# Allegro board RK3588S_Template_LP4XD200P232SD10H2_30X30_2133MHz_H1R6_V11_20220218YWQ.brd (continued)
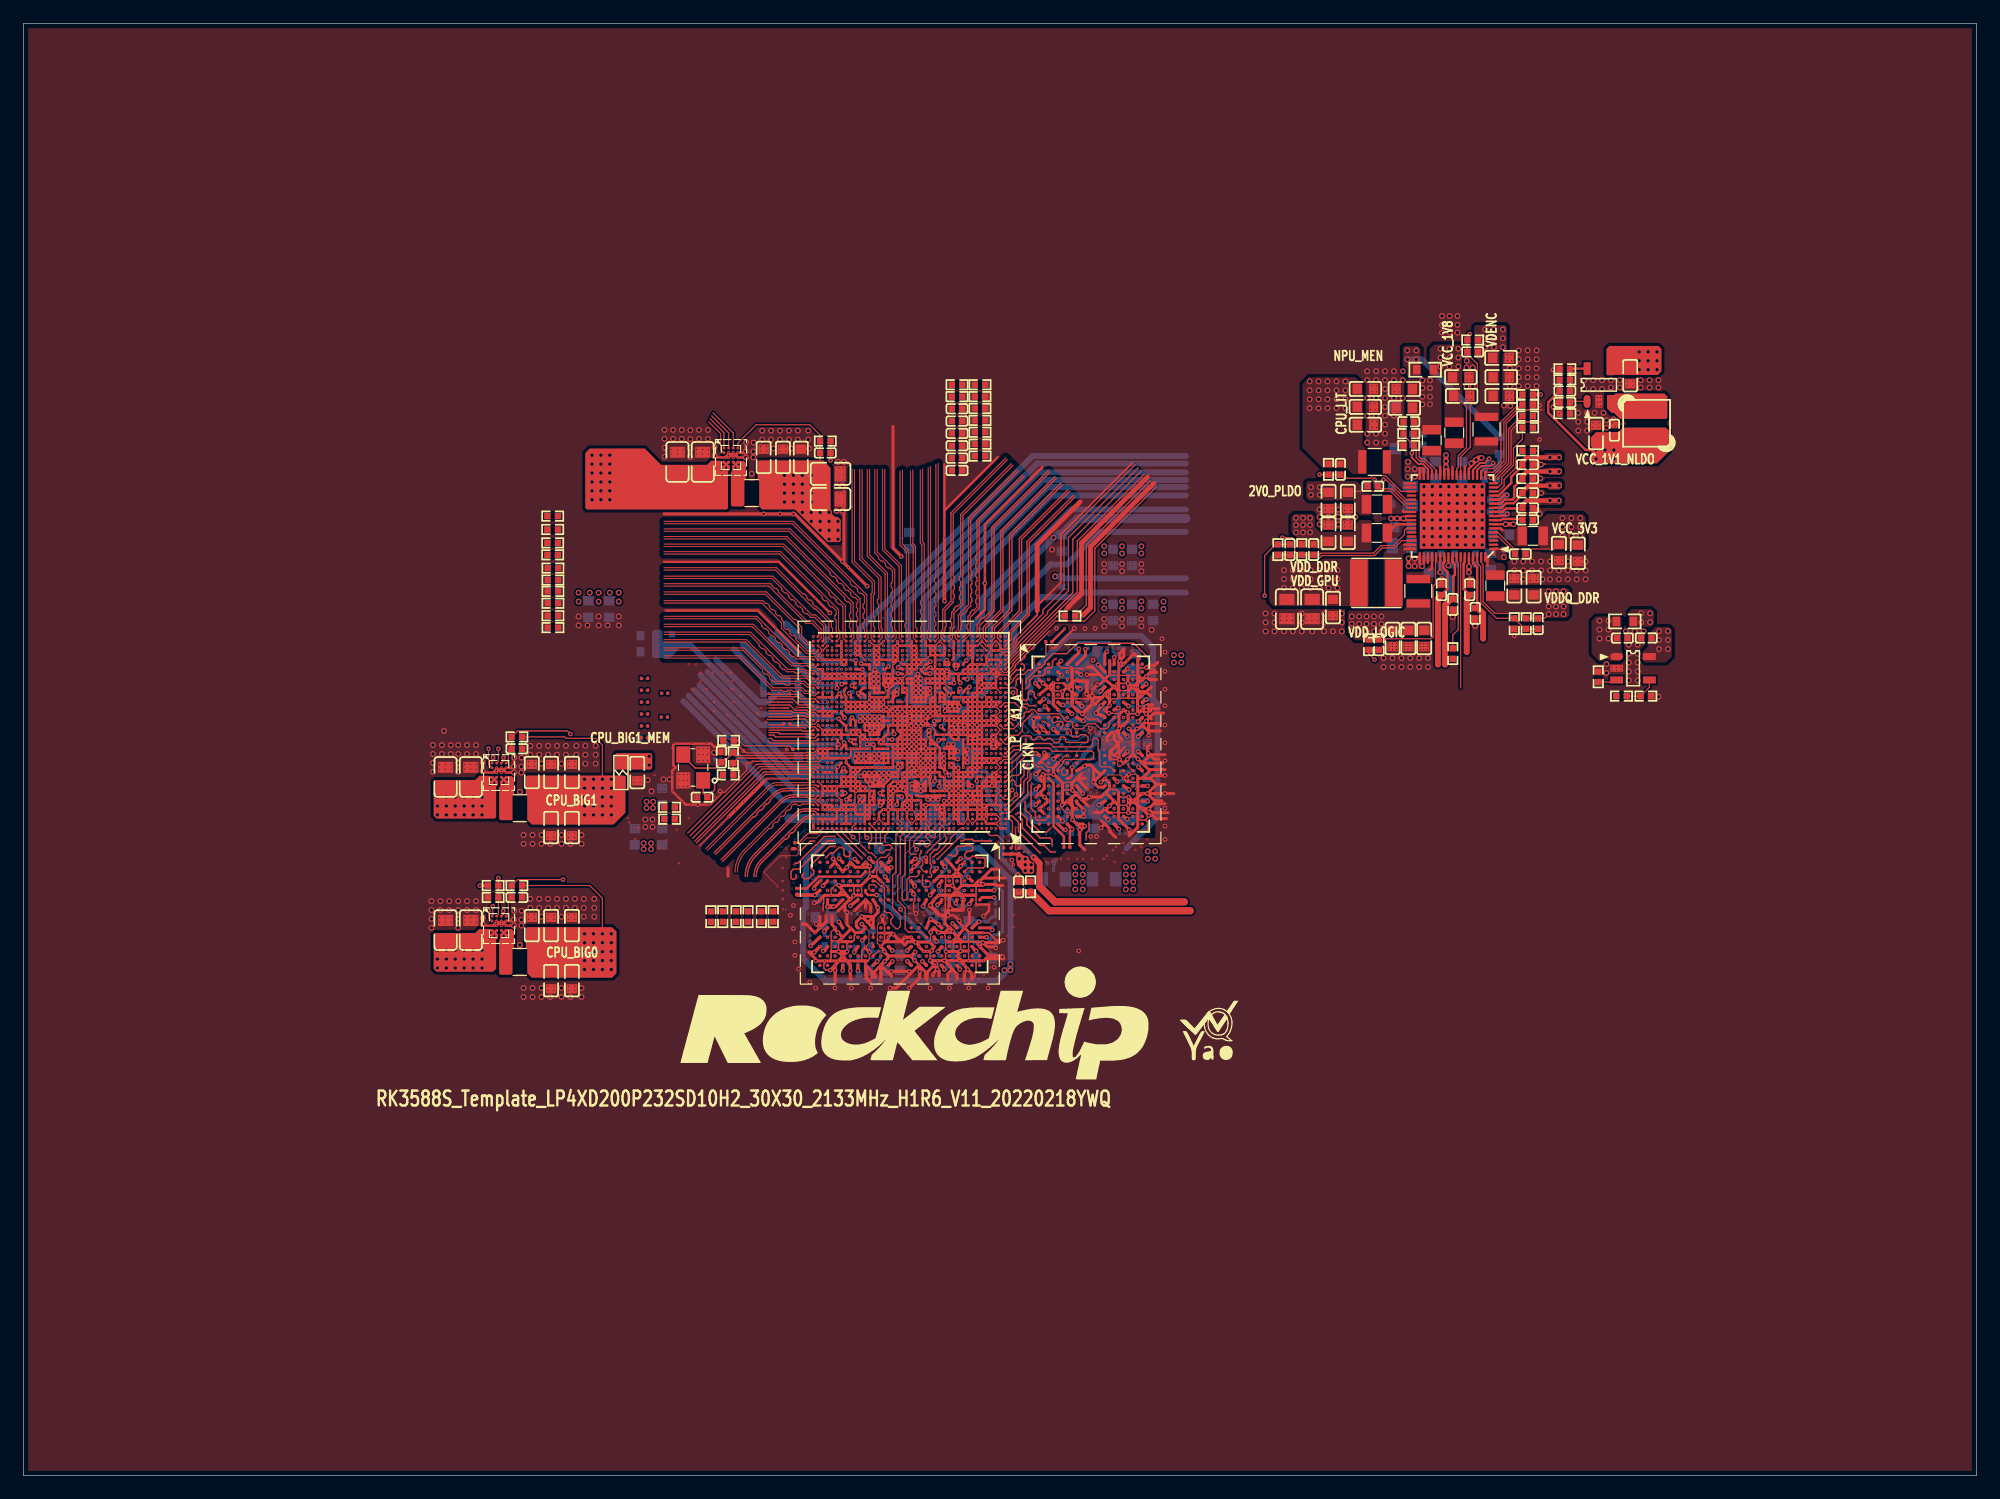
[diagram p0: board, top side]
## Routing (per net, layer and track width the routed paths; a pad name or vN(x,y) marks a point on that pad's centre or on a via; arc(x,y) is an arc through that point) (continued)
; U1000.AD3 v7(83.09,64.1) v7(82.69,64.1) ; v2(82.3,56.9) 80.29,56.9 v2(80.29,56.9) ; v2(82.3,56.9) v2(82.3,56.5) 82.3,56.2 v1(82.23,56.13) ; v7(81.49,62.1) v2(81.09,62.1) ; v7(81.49,62.1) v2(81.49,61.7) ; v7(82.29,70.9) v7(82.69,70.9) v2(82.69,70.5) v7(83.09,70.5) 83.1,70.51 v7(83.49,70.51) v7(83.49,70.9) ; v2(79.89,63.7) 79.89,64.04 v1(80.01,64.16) ; v2(79.89,63.7) v2(79.49,63.7) ; v2(79.89,63.7) v2(79.89,63.3) ; v7(75.49,64.1) v7(75.49,63.7) ; v7(75.49,64.1) U1000.AD22 ; v7(75.49,64.1) 75.8,64.1 v1(75.85,64.05) ; v7(75.49,64.1) v7(75.09,64.1) ; v7(75.49,63.7) v7(75.49,63.3) ; v7(75.49,63.7) v2(75.89,63.7) ; 74.15,46.25 v7(73.9,46) 73.9,45.88 73.63,45.61 ; v7(68.69,63.7) v7(68.29,63.7) v7(68.29,63.3) v7(68.69,63.3) ; v7(68.69,63.7) v7(69.09,63.7) ; v7(68.69,63.7) v7(68.69,63.3) ; v7(74.29,70.1) v7(74.29,70.5) ; v7(74.29,70.1) v2(74.29,69.7) ; v7(74.29,70.5) v7(74.29,70.9) v1(74.66,70.9) ; v7(74.29,70.5) 74.66,70.5 v7(74.69,70.54) ; v2(82.29,67.7) v2(82.29,67.3) ; v2(82.29,67.7) U1000.AM4 U1000.AL4 ; v2(71.09,60.1) v2(70.69,60.1) ; v2(71.09,60.1) 71.29,60.1 71.49,60.3 v2(71.49,60.5) ; v2(71.09,60.1) v7(71.09,60.5) ; v2(70.69,60.1) U1000.P34 ; 81.49,67.36 v2(81.55,67.3) v2(82.29,67.3) ; 81.49,67.36 v2(81.49,66.9) ; v2(81.49,66.9) U1000.AJ7 ; v2(81.49,66.9) v7(81.15,66.9) 81.09,66.84 v2(81.09,66.5) ; v7(73.09,56.1) 73.09,56.58 73.41,56.9 v2(73.49,56.9) 73.86,56.9 v1(73.89,56.87) 73.92,56.9 v2(74.29,56.9) ; v2(72.29,66.5) v2(72.69,66.5) ; v2(72.29,66.5) v7(72.29,66.9) ; v2(72.29,66.5) v7(72.29,65.3) ; v2(72.69,66.5) v2(72.69,66.13) U1000.AH29 ; v7(75.89,61.7) 75.89,62.07 v1(75.9,62.08) ; v7(75.89,61.7) 76.27,61.7 76.29,61.67 ; v7(75.89,61.7) v7(75.49,61.7) v7(75.09,61.7) ; v7(75.89,61.7) v2(75.89,61.3) ; 74.29,58.44 v1(74.32,58.47) 74.35,58.5 ; 74.29,58.44 v2(74.29,58.1) ; 74.29,58.44 v2(74.29,58.9) ; v1(77.49,60.9) 77.48,60.88 v1(77.06,60.88) ; v1(77.49,60.9) U1000.T17 77.49,61.33 ; v2(81.49,63.7) v2(81.89,63.7) ; v2(81.49,63.7) v2(81.09,63.7) ; v7(82.29,65.7) v7(82.69,65.7) ; v7(82.29,65.7) v2(81.89,65.7) ; v5(39.24,60.2) 39.37,60.07 U2301.C1 v2(40.07,60.07) v2(40.44,60.07) v2(40.84,60.47) v2(41.24,60.07) v5(41.91,60.07) ; v2(79.89,58.1) v2(81.89,58.1) v7(82.29,58.1) v7(82.69,58.1) v7(83.09,58.1) v7(83.09,57.7) v7(83.09,57.3) ; v2(79.89,58.1) v2(79.49,58.1) 79.11,58.1 79.1,58.09 ; v2(79.89,58.1) 79.88,58.09 v2(79.88,57.7) ; v7(77.89,65.3) 78.13,65.3 v1(78.21,65.22) ; v7(77.89,65.3) v7(77.49,65.3) ; v7(77.89,65.3) v2(77.89,65.7) ; v7(77.89,65.3) v2(77.89,64.9) ; v2(80.29,57.3) v2(80.69,57.3) ; v2(80.29,57.3) v2(80.29,56.9) ; v2(80.29,57.3) v2(80.29,57.7) ; v2(80.29,57.3) 79.91,57.3 v7(79.88,57.28) ; v2(80.69,57.3) v2(80.69,57.7) ; v2(80.69,57.3) v2(81.09,57.3) ; v2(80.69,57.3) v2(80.69,56.9) v7(80.69,56.1) ; v7(69.09,68.1) v7(68.69,68.1) ; v7(69.09,68.1) v2(69.49,68.1) ; 54.86,73.91 62.74,73.91 v7(64.26,72.39) v7(65.53,71.12) v7(66.37,70.28) ; U1000.AD22 v7(75.09,64.5) ; U1000.AD22 U1000.AE22 ; U1000.AD22 75.71,64.5 v1(75.74,64.47) ; v2(77.89,65.7) v2(78.29,65.7) 78.29,65.3 v1(78.21,65.22) ; v7(81.09,66.1) U1000.AH7 ; v7(81.09,66.1) v2(81.09,65.7) ; v7(81.09,66.1) 80.74,66.1 v7(80.69,66.15) ; v7(81.09,66.1) v2(81.09,66.5) ; U1000.AH7 U1000.AJ7 ; U1000.AH7 v2(81.49,65.7) ; v7(77.09,56.9) v1(77.09,57.28) ; v7(77.09,56.9) v7(76.69,56.9) ; v7(77.09,56.9) v7(77.09,56.5) ; v7(72.69,69.7) v7(72.69,70.1) ; v7(75.09,61.7) v7(74.69,61.7) ; v7(75.09,61.7) v7(75.09,62.1) ; v7(75.09,61.7) v7(75.09,61.3) ; v7(74.69,61.7) v2(74.69,61.3) ; v7(74.69,61.7) v7(74.69,62.1) ; v7(74.69,61.7) v2(74.29,61.7) ; v1(75.85,64.05) v1(76.26,64.05) ; v1(75.85,64.05) 75.85,64.36 v1(75.74,64.47) ; v1(75.85,64.05) 75.89,64.01 ; v2(81.89,68.5) v2(82.29,68.5) 82.63,68.5 ; v2(81.89,68.5) v2(81.49,68.5) ; v2(68.29,58.1) v7(68.29,58.5) ; v7(68.29,58.5) v7(69.09,58.5) ; v7(68.29,58.5) v7(68.29,58.9) v7(68.69,58.9) ; v2(75.09,57.3) v2(75.09,56.9) ; v7(68.29,68.5) v7(68.69,68.5) ; v7(68.29,68.5) v7(68.29,68.1) v7(68.69,68.1) ; v7(68.29,68.5) U1000.AR40 U1000.AR41 ; v7(68.69,68.5) v7(68.69,68.1) ; v2(79.49,64.9) v2(79.89,64.9) ; v1(75.08,65.25) 75.49,65.25 ; v1(75.08,65.25) 75.09,65.26 v2(75.09,65.7) ; v1(75.08,65.25) 75.08,64.91 v7(75.09,64.9) ; v1(75.08,65.25) 75.06,65.28 v1(74.68,65.28) ; 75.49,65.25 75.49,65.26 ; 75.49,65.25 75.49,65.25 U1000.AE22 ; v2(80.29,64.5) v2(80.69,64.5) ; v2(80.29,64.5) 80.29,64.24 80.37,64.16 ; v2(80.29,64.5) v2(79.89,64.5) ; v2(80.69,64.5) v2(80.69,63.7) ; v2(80.69,64.5) v2(81.09,64.5) ; v7(82.69,62.9) 83.09,62.9 v7(83.09,62.91) ; v7(82.69,62.9) v7(82.69,62.09) 82.7,62.1 v7(83.09,62.1) U1000.Y3 v7(83.09,62.91) ; v7(82.69,62.9) v2(82.29,62.9) ; v7(82.69,62.9) v2(82.69,63.3) v2(83.09,63.3) v7(83.09,62.91) ; v7(69.09,60.1) v7(68.69,60.1) v7(68.29,60.1) ; v2(75.89,63.7) v1(75.89,63.3) ; v2(75.89,63.7) 75.89,64.01 ; v7(77.49,70.9) v7(77.89,70.9) v7(77.89,70.5) ; v7(77.49,70.9) v7(77.49,70.5) ; v1(79.13,58.54) 79.1,58.51 ; v1(79.13,58.54) 79.09,58.58 v2(79.09,58.9) ; v2(74.69,61.3) v7(75.09,61.3) ; v2(74.69,61.3) v2(74.29,61.3) ; v2(79.89,68.5) v2(80.29,68.5) ; v2(77.09,61.3) v7(77.09,61.7) ; v2(77.09,61.3) 77.09,60.91 v1(77.06,60.88) ; v2(77.09,61.3) 77.47,61.3 77.49,61.33 ; v7(75.49,63.3) v1(75.89,63.3) ; v1(75.89,63.3) v1(76.29,63.3) ; v2(78.69,68.1) v2(78.69,67.7) v7(78.29,67.7) ; v2(78.69,68.1) v2(79.09,68.1) 79.09,68.86 v2(79.06,68.9) 78.67,68.9 ; v2(78.69,68.1) v2(78.69,68.88) 78.67,68.9 ; v2(79.49,60.1) v2(79.89,60.1) ; v2(79.89,60.1) v2(79.89,59.3) ; v7(73.89,58.09) 73.9,58.1 v2(74.29,58.1) ; v7(73.89,58.09) U1000.G26 ; v2(79.89,56.1) v7(79.89,55.7) v2(80.29,55.7) ; v2(79.89,56.1) v2(79.89,56.5) ; 81.89,59.31 81.89,57.7 v2(81.89,57.7) ; v2(82.29,59.3) U1000.L3 v7(83.49,59.3) ; v2(82.29,59.3) v2(81.89,59.3) ; v2(82.29,59.3) v7(82.29,58.94) 82.25,58.9 ; v7(82.69,64.1) v7(82.29,64.1) ; v2(69.49,63.7) v7(69.09,63.7) ; v2(79.88,57.7) v7(79.88,57.28) ; v2(79.88,57.7) v2(80.29,57.7) ; v7(75.09,62.1) 75.47,62.1 v1(75.49,62.08) ; v7(75.09,62.1) v7(74.69,62.1) ; 76.29,61.67 v7(76.29,61.65) v2(76.29,61.3) ; v2(81.89,65.7) v2(81.49,65.7) ; v2(81.89,65.7) v7(81.89,64.9) ; v2(81.49,65.7) v2(81.49,65.3) ; v2(81.49,65.7) v2(81.09,65.7) ; v2(75.09,59.3) v7(75.09,59.7) ; v2(75.09,59.3) v2(75.49,59.3) ; v2(69.49,56.9) 69.49,56.9 v7(69.49,56.1) ; v2(69.49,56.9) v2(69.09,56.9) ; v2(69.49,56.9) v7(69.89,56.9) 69.93,56.9 ; v7(75.89,60.1) v7(75.89,59.7) ; v1(81.46,64.15) 81.52,64.1 v7(81.89,64.1) ; v2(75.89,68.9) v2(75.89,68.5) v2(75.49,68.5) v7(75.49,69.3) ; v2(75.89,68.9) v2(75.49,68.9) ; v2(75.89,68.9) v2(76.29,68.9) v2(76.29,69.3) ; v7(68.69,62.1) v7(69.09,62.1) ; v2(71.09,59.3) v2(70.69,59.3) ; v2(71.09,59.3) v2(71.09,58.9) ; v2(71.09,59.3) v2(71.49,59.3) v2(71.49,58.9) ; v2(70.69,59.3) v2(70.69,58.9) ; v2(75.09,65.7) v2(75.49,65.7) ; v2(75.09,65.7) v2(74.69,65.7) ; v7(83.09,57.3) v7(83.49,57.3) v7(83.49,56.9) ; v2(70.14,67.07) 70.14,67.14 v2(70.29,67.3) ; v2(71.09,65.3) v2(71.49,65.3) ; 81.09,63.2 v7(81.09,62.5) ; 81.09,63.2 81.09,63.23 ; v1(74.68,65.28) 74.69,65.29 v2(74.69,65.7) ; v1(74.68,65.28) 74.65,65.3 v1(74.27,65.3) ; v1(74.68,65.28) 74.69,65.26 v2(74.69,64.9) ; v7(81.89,62.9) v2(82.29,62.9) ; v7(70.69,63.3) 70.69,63.3 v7(70.69,63.7) v2(71.09,63.7) ; v1(78.99,47.87) v2(79.5,47.87) v1(79.96,47.42) 79.96,47.24 v7(80.4,46.8) ; v2(80.69,57.7) v2(80.69,58.5) ; v2(80.69,57.7) v2(81.09,57.7) ; v2(80.69,57.7) v2(80.29,57.7) ; v2(71.89,56.9) v2(71.89,57.3) v7(72.26,57.3) 72.29,57.3 ; v2(71.89,56.9) U1000.E30 ; v2(71.89,56.9) v7(71.89,56.5) ; U1000.AJ7 v2(81.09,66.5) ; v2(81.09,66.5) v2(80.69,66.5) ; v2(81.89,63.7) v7(81.89,64.1) ; 79.1,58.09 79.1,58.51 ; 72.29,57.3 v2(72.69,57.3) v2(72.69,57.7) ; 72.29,57.3 v7(72.29,56.5) ; v2(76.29,60.9) v7(75.89,60.9) ; v2(76.29,60.9) v2(76.29,61.3) ; v7(80.69,66.15) 80.64,66.1 v7(80.29,66.1) v2(80.29,66.5) ; v7(80.69,66.15) v2(80.69,66.5) ; v7(70.29,55.7) v7(70.29,56.1) 70.29,56.1 v2(70.29,56.48) 70.29,56.48 v7(70.29,56.9) ; v7(70.29,55.7) v7(70.69,55.7) ; v7(70.29,55.7) v7(69.89,55.7) ; v2(81.49,65.3) v2(81.89,65.3) ; v7(70.29,56.9) v2(70.69,56.9) v2(71.09,56.9) ; v7(70.29,56.9) v2(70.29,57.3) ; v7(70.29,56.9) 69.93,56.9 ; U1000.AH29 v7(72.69,65.7) ; U1000.AH29 v2(73.09,66.1) ; U1000.AH29 71.96,66.1 ; v7(72.69,65.7) v7(72.69,65.3) ; v7(72.69,65.7) v7(73.09,65.7) ; v2(78.29,57.3) 78.29,56.6 ; v2(81.09,63.3) v2(81.09,63.7) ; v2(81.09,63.3) v2(80.69,63.3) ; v2(81.09,63.3) 81.09,63.23 ; v2(81.09,63.7) v2(80.69,63.7) ; v2(82.29,67.3) U1000.AL4 ; v7(75.09,62.9) v2(74.69,62.9) ; v2(79.89,63.3) v2(80.29,63.3) ; v2(77.09,62.5) v7(77.09,62.9) v7(76.69,62.9) ; v2(77.09,62.5) v2(76.69,62.5) ; v1(73.96,65.63) 73.96,65.37 v7(73.89,65.3) ; v7(77.89,70.5) v7(77.49,70.5) ; v1(75.49,62.08) 75.49,61.3 v2(75.49,61.3) ; v1(75.49,62.08) v1(75.9,62.08) ; v7(81.09,62.5) v7(80.69,62.5) 80.69,63.22 ; v7(81.09,62.5) v2(81.09,61.7) ; v2(81.09,64.5) v2(81.89,64.5) ; v2(76.69,65.7) v7(76.69,65.3) ; v2(76.69,65.7) v2(77.09,65.7) ; v7(76.69,65.3) U1000.AE19 ; v7(76.69,65.3) v1(77.09,65.3) ; v7(79.88,57.28) 79.86,57.3 v7(79.5,57.3) 79.5,57.3 v2(79.09,57.3) ; v2(81.09,57.7) v2(81.89,57.7) ; v2(81.09,57.7) v2(81.09,58.5) ; v2(81.09,57.7) v2(81.09,57.3) ; v2(81.89,57.7) v2(81.89,56.9) v2(81.89,56.5) v7(81.89,56.1) ; v2(83.09,58.9) 82.25,58.9 ; 82.25,58.9 81.49,58.9 ; U1000.AE19 77.04,64.9 v1(77.06,64.87) ; U1000.AE19 v7(76.69,64.5) ; v2(73.09,66.1) v7(73.09,65.7) ; v7(75.49,69.3) v2(75.09,69.3) ; v7(77.49,65.3) v1(77.09,65.3) ; v7(77.49,65.3) v1(77.49,64.9) ; v7(73.09,65.7) v7(73.09,65.3) ; v7(81.49,56.5) v7(81.49,56.1) v7(81.89,56.1) ; v7(81.49,56.5) v2(81.49,56.9) v2(81.49,57.3) ; v7(81.49,56.5) 81.49,56.5 v2(82.69,56.5) ; v1(90.25,55.18) 90.25,55.44 90.02,55.67 v7(89.99,55.67) ; v7(77.09,56.5) v7(77.09,56.1) v7(76.69,56.1) ; v7(77.09,56.5) v7(76.69,56.5) ; v2(75.09,56.9) 74.75,56.9 ; U1000.AU4 v2(83.09,69.7) v2(83.49,69.7) v7(83.49,69.3) ; v2(81.09,60.9) v2(82.69,60.9) ; v2(81.09,60.9) v2(81.09,60.5) ; v2(81.09,60.9) 81.09,61.26 ; v2(82.69,60.9) v7(82.69,61.3) ; v2(82.69,60.9) v7(83.09,60.9) v7(83.09,61.3) ; v2(75.49,61.3) 75.49,60.88 ; v2(75.49,61.3) v2(75.89,61.3) ; v2(75.49,61.3) v7(75.09,61.3) ; 75.49,60.88 75.49,60.5 ; 75.49,60.88 75.51,60.9 v7(75.89,60.9) ; v2(79.09,59.3) v2(79.49,59.3) v2(79.89,59.3) ; v2(79.09,59.3) v2(78.69,59.3) ; v2(79.09,59.3) v2(79.09,58.9) ; v7(73.89,65.3) 74.27,65.3 v1(74.27,65.3) ; v7(73.89,65.3) v7(73.49,65.3) ; v7(73.89,65.3) v2(73.89,64.9) v2(74.29,64.9) ; v2(78.29,64.9) 78.29,65.14 v1(78.21,65.22) ; v2(77.09,65.7) v1(77.09,65.3) ; v7(69.09,58.5) v7(69.09,58.9) ; v7(69.09,58.5) 69.46,58.5 v2(69.49,58.47) ; v7(69.09,58.9) U1000.K37 ; v7(69.09,58.9) v7(68.69,58.9) ; v2(81.09,60.5) v2(81.09,59.7) v2(80.69,59.7) ; v2(81.09,60.5) v2(81.49,60.5) ; v7(74.69,62.1) v7(74.29,62.1) ; U1000.C37 v7(69.49,56.1) ; v7(69.49,56.1) v7(69.04,56.1) ; v7(72.29,56.5) v7(72.29,56.1) v7(71.93,56.1) 71.89,56.06 ; v7(72.29,56.5) v7(71.89,56.5) ; v7(74.29,64.1) v7(74.29,64.5) ; 78.69,82.46 83.27,87.04 ; 78.69,82.46 v7(78.69,80.14) ; 78.69,82.46 78.69,86.41 ; 78.67,68.9 v2(78.29,68.9) ; v2(81.09,69.3) v7(81.49,69.3) ; v2(81.09,69.3) v2(81.09,68.5) ; v2(81.09,57.3) v2(81.49,57.3) ; v2(83.09,55.7) 82.29,55.7 U1000.B5 82.23,55.77 v1(82.23,56.13) ; v7(73.49,65.3) v7(73.09,65.3) ; v2(80.69,63.3) v2(80.69,63.7) ; v2(80.69,63.3) 80.69,63.22 ; v2(80.69,63.3) v2(80.29,63.3) ; v2(79.89,64.9) v2(79.89,64.5) ; v2(79.89,64.5) 79.89,64.28 v1(80.01,64.16) ; v7(73.09,65.3) v7(72.69,65.3) ; v7(71.89,65.3) v2(71.89,65.7) ; v7(71.89,65.3) v7(72.29,65.3) ; v7(71.89,65.3) v2(71.49,65.3) ; v2(71.89,65.7) v2(71.49,65.7) ; v2(71.89,65.7) 71.89,65.78 ; 73.48,62.5 v7(73.14,62.5) 73.09,62.54 v7(73.09,62.9) ; v2(80.29,66.5) v2(79.89,66.5) v2(79.49,66.5) ; v2(80.29,66.5) v2(80.69,66.5) ; v2(71.49,65.3) v2(71.49,65.7) ; v2(80.29,59.3) v2(79.89,59.3) ; v2(80.29,59.3) v2(80.29,58.9) ; v2(79.09,58.9) v2(78.69,58.9) ; v2(81.09,65.7) 80.7,65.7 v2(80.69,65.71) ; v2(69.49,68.1) v2(70.29,68.1) ; v2(74.29,62.43) 74.29,62.43 v7(74.29,62.1) ; v1(80.42,64.11) 80.37,64.16 ; U1000.D4 v7(83.09,56.5) ; v1(80.01,64.16) 80.37,64.16 ; v1(80.01,64.16) v1(79.6,64.16) ; v7(69.04,56.1) 69.09,56.05 v7(69.09,55.7) ; v7(69.04,56.1) v2(68.69,56.1) v2(68.29,56.1) 68.28,56.1 ; U1000.AD5 v2(81.89,64.5) ; U1000.AD5 v7(82.29,64.1) ; v7(81.89,64.1) v2(81.89,64.5) ; v7(81.89,64.1) v7(82.29,64.1) ; v2(71.49,58.9) 71.49,58.54 71.45,58.5 ; v2(71.49,58.9) v2(71.09,58.9) ; v2(71.49,58.9) v2(71.89,58.9) 71.91,58.88 71.91,58.5 71.45,58.5 ; v2(81.49,60.5) v2(81.49,61.3) ; v2(71.49,60.5) v7(71.09,60.5) ; v2(71.49,60.5) v7(71.89,60.5) v2(72.29,60.5) v2(72.69,60.5) v2(73.09,60.5) v2(73.49,60.5) v2(73.89,60.5) v2(74.29,60.5) v7(74.29,60.9) v2(74.29,61.3) ; v7(71.09,60.5) U1000.P34 ; v2(80.69,58.5) v2(81.09,58.5) ; v2(69.89,57.3) v2(69.89,57.7) ; v2(69.89,57.3) 69.89,56.93 69.93,56.9 ; v2(69.89,57.3) v2(70.29,57.3) ; v2(76.29,61.3) v2(75.89,61.3) ; v1(82.23,56.13) 82.2,56.1 v7(81.89,56.1) ; 73.49,68.1 v2(74.29,68.1) ; 73.49,68.1 v2(73.49,68.5) 73.86,68.5 ; v2(74.29,68.1) v2(74.29,68.5) ; v1(75.9,62.08) v1(76.3,62.08) ; 73.86,68.5 v2(74.29,68.5) ; v1(79.6,64.16) 79.49,64.27 ; v7(75.89,70.1) v7(76.29,70.1) ; v7(75.89,70.1) v7(75.89,70.5) ; v2(81.89,64.5) v7(81.89,64.9) ; v7(82.29,62.5) v2(82.29,62.9) ; v1(76.26,64.05) 76.64,64.05 v1(76.66,64.03) ; v5(41.91,47.5) 41.8,47.39 v2(41.24,47.39) v2(40.84,46.99) U2300.B2 ; v2(81.49,68.5) v2(81.09,68.5) ; v2(81.49,68.5) 81.49,68.88 ; v2(81.09,68.5) v2(80.69,68.5) ; v7(76.69,63.3) v7(76.69,62.9) ; v7(76.69,63.3) v1(76.29,63.3) ; v7(76.69,62.9) v2(76.69,62.5) ; v7(76.69,62.9) v1(76.29,62.9) ; v7(71.49,70.5) v7(71.09,70.5) ; v7(71.49,70.5) v2(71.49,70.1) v7(71.09,70.1) v7(71.09,70.5) ; v1(76.29,63.3) v1(76.29,62.9) ; v2(79.49,63.7) 79.49,64.27 ; v2(79.49,63.7) 79.49,63.7 v2(79.13,63.7) ; v7(68.29,66.5) v7(67.89,66.5) ; v7(68.29,66.5) v7(68.69,66.5) v7(69.09,66.5) v2(69.09,66.9) ; v7(68.29,66.5) v7(68.29,66.9) ; U1000.AE22 v7(75.09,64.9) ; v2(81.09,58.5) v2(81.49,58.5) ; 75.49,65.26 v2(75.49,65.7) ; v2(81.49,58.5) v2(81.49,57.3) ; v2(81.49,58.5) 81.49,58.89 81.49,58.9 ; v2(81.49,58.5) v2(81.89,58.5) ; 74.68,69.7 v2(74.37,69.39) 74.29,69.47 v2(74.29,69.7) ; 74.68,69.7 v2(74.29,69.7) ; v7(69.09,63.7) v7(69.09,63.3) ; U1000.J24 74.35,58.5 ; U1000.J24 v2(75.49,58.5) ; v7(68.69,57.3) v7(69.09,57.3) v2(69.09,56.9) ; v7(68.69,57.3) v7(68.69,56.9) ; v7(68.69,57.3) v7(68.29,57.3) v7(68.29,56.9) v7(68.69,56.9) ; v2(74.29,68.5) v2(74.29,68.9) ; v7(75.89,60.9) v2(75.89,61.3) ; v7(75.49,66.9) v2(75.49,65.7) ; v2(78.69,58.5) 79.09,58.5 79.1,58.51 ; v2(78.69,58.5) v2(78.69,58.9) ; v7(69.09,65.3) v7(69.49,65.3) ; v1(78.51,56.82) 78.29,56.6 ; v7(82.3,61.3) v2(82.3,60.9) ; 74.69,56.84 74.75,56.9 ; 74.69,56.84 v7(74.69,56.9) ; 74.69,56.84 v7(74.69,56.52) U1000.C24 ; 74.75,56.9 v2(74.29,56.9) ; v7(75.89,70.5) v7(76.29,70.5) ; v7(76.69,56.1) v7(76.69,55.7) ; v7(76.69,56.1) v7(76.69,56.5) ; v7(76.69,56.1) v2(76.29,56.1) 76.29,56.42 76.37,56.5 v7(76.69,56.5) ; v2(78.69,59.3) v7(78.69,59.7) 78.35,59.7 78.29,59.76 v2(78.29,60.1) v2(77.89,60.1) ; v2(78.69,59.3) v2(78.69,58.9) ; v7(71.89,56.5) 71.89,56.06 ; v7(71.89,56.5) 71.13,56.5 71.09,56.54 v2(71.09,56.9) ; U3800.P10 93.96,60.87 v1(93.66,61.18) ; v1(76.66,64.03) 76.69,64.07 ; v7(81.49,69.3) v2(81.89,69.3) U1000.AT5 82.29,69.77 ; v7(81.49,69.3) 81.49,68.88 ; v5(61.75,88.27) 61.72,88.24 v5(61.72,87.5) 61.61,87.4 v2(61.05,87.4) U2302.B4 v2(60.65,87) U2302.B2 v2(60.25,87.4) ; C2329.2 131.06,91.69 v1(130.68,91.31) ; 71.89,56.06 v7(71.89,55.7) ; v2(81.49,61.3) 81.13,61.3 81.09,61.26 ; v2(81.49,61.3) v2(81.49,61.7) ; v2(81.49,61.3) 81.5,61.29 v7(83.5,61.29) ; v1(74.27,65.3) 74.27,64.92 v2(74.29,64.9) ; 81.09,61.26 v2(81.09,61.7) ; v2(81.09,61.7) v2(81.49,61.7) ; v7(73.02,46.36) v7(73.57,46.36) ; v2(72.29,58.5) v7(71.89,58.5) ; v2(72.29,58.5) v2(72.69,58.5) v2(72.69,58.1) ; v7(68.29,69.7) v7(68.69,69.7) v7(69.09,69.7) v2(69.6,69.7) v7(69.89,69.7) ; v7(93.58,69.15) 93.82,69.15 v2(93.99,69.32) 93.71,69.61 v1(93.66,69.61) 93.58,69.54 v7(93.58,69.15) ; v2(82.69,69.7) v7(82.36,69.7) 82.29,69.77 ; v7(69.89,69.7) v2(70.29,69.7) v7(70.29,69.3) v2(69.89,69.3) v7(69.89,69.7) ; v2(70.69,58.9) v2(70.69,58.5) 71.12,58.5 v1(71.15,58.53) ; v2(70.69,58.9) v2(71.09,58.9) ; v7(70.29,66.1) v7(70.29,66.5) ; v7(70.29,66.1) v2(69.89,66.1) ; v7(70.29,66.1) v7(70.69,66.1) ; v2(70.29,57.3) v2(70.69,57.3) v2(71.09,57.3) v2(71.09,56.9) ; v2(81.49,58.9) 81.49,58.9 ; v2(69.49,58.47) v2(69.49,58.1) ; v7(77.89,60.5) v2(77.89,60.1) ; v2(71.09,58.9) 71.09,58.59 v1(71.15,58.53) ; v7(75.09,64.5) v7(75.09,64.1) ; v7(75.09,64.5) v7(75.09,64.9) ; v7(76.69,64.5) 76.69,64.07 ; 61.53,61.99 61.53,61.88 v2(61.47,61.82) ; v7(76.69,69.7) v7(76.69,69.3) v2(76.29,69.3) ; v7(76.69,69.7) v7(77.09,69.7) ; v7(74.29,64.5) v2(74.29,64.9) ; v7(68.69,56.9) v2(69.09,56.9) ; v7(75.89,59.7) v7(76.41,59.7) 76.43,59.72 ; v7(67.49,55.7) v7(67.49,55.3) ; 93.64,61.2 93.64,61.78 v2(94.09,62.23) ; v2(79.89,56.5) v7(79.49,56.5) ; U1000.AL4 v7(83.09,67.3) 83.09,67.74 ; v2(74.29,64.9) v2(74.69,64.9) ; v1(77.49,64.9) 77.09,64.9 v1(77.06,64.87) ; v1(77.49,64.9) v2(77.89,64.9) ; v7(76.69,56.9) v7(76.69,56.5) ; 71.45,66.1 71.96,66.1 ; v7(81.09,70.9) v7(81.49,70.9) ; v7(81.09,70.9) v7(80.69,70.9) ; 71.89,65.78 71.89,66.03 71.96,66.1 ; v1(71.15,58.53) 71.19,58.5 71.45,58.5 ; v7(72.29,65.3) v7(72.69,65.3) ; v7(68.69,58.9) v7(68.69,58.5) ; v2(74.29,61.3) v2(74.29,61.7) ; v2(80.69,68.5) v2(80.29,68.5) ; v2(74.69,64.9) v7(75.09,64.9) ; v7(76.29,70.1) v7(76.29,70.5) ; v7(76.29,70.1) v2(76.29,69.3) ; v7(74.29,62.1) v2(74.29,61.7) ; 82.29,69.77 v2(82.29,70.1) ; 54.74,78.07 64.55,78.07 v7(67.69,74.93) v1(68.91,73.71) ; v7(68.69,63.3) v7(69.09,63.3) ; v7(80.69,70.9) v2(80.69,71.3) ; v2(72.69,58.1) v2(72.69,57.7) ; v5(41.91,46.99) v2(41.24,46.99) v2(40.84,47.39) v2(40.44,46.99) v2(40.04,46.99) 39.37,46.99 v5(39.24,47.12) ; 87.06,86.17 v2(82.17,81.28) 82.15,81.26 v2(82.15,80.77) v2(82.15,80.39) v2(82.15,80.14) v2(82.15,79.76) v2(82.15,79.38) v2(82.15,78.74) v2(82.15,78.36) v2(82.15,77.72) v2(82.15,76.96) v1(82.15,76.25) v2(82.15,75.11) v2(82.15,74.55) 82.15,73.98 v2(81.43,73.26) ; 68.28,56.1 v2(67.89,56.1) ; v1(82.04,47.8) 82.5,48.25 82.5,48.79 81.48,48.79 v7(81.39,48.69) ; v2(93.19,67.37) 93.19,67.38 v2(93.4,67.58) 93.57,67.76 93.58,67.76 93.48,67.66 ; v1(91.32,66.61) v2(91.32,67.12) v1(91.78,67.58) 91.95,67.58 v7(92.39,68.02) ; 76.43,59.72 76.4,59.74 v1(76.4,60.05) ; 83.07,59.7 v7(83.49,59.7) ; v2(79.38,69.67) 79.49,69.79 v7(79.49,70.1) v7(79.49,70.5) v7(79.49,70.9) v7(79.49,71.3) ; v1(59.51,58.47) 59.6,58.38
  TOP w0.254: 93.58,63.8 v2(93.58,63.19) 93.83,62.93 ; 93.58,63.8 93.26,63.48 v2(93.19,63.48) U3800.K9 ; 93.58,63.8 v1(93.63,63.85) ; 92.94,61.94 92.84,61.83 v3(92.84,61.19) ; 92.94,61.94 92.94,61.77 ; 92.94,61.94 92.94,61.99 93,61.99 93.45,62.45 v6(93.45,62.68) 93.19,62.94 U3800.K9 ; v1(78.84,44.77) 78.85,44.78 80.01,44.78 v1(80.06,44.82) 80.06,44.82 v7(80.72,44.82) 80.75,44.85 ; v1(69.98,78.11) 65.91,82.17 v1(65.79,82.17) v1(64.64,82.17) v1(63.25,82.17) 54.74,82.17 ; v1(69.98,78.11) 70.1,78.23 70.1,84.07 ; v1(69.98,78.11) v7(70.48,77.6) v7(71.5,76.58) v1(72.09,76) ; v7(87.59,67.37) v7(87.99,67.77) v7(87.99,66.98) ; v7(87.59,67.37) v7(87.99,66.98) ; v7(87.59,67.37) v7(87.28,67.12) U3800.E1 ; v7(87.59,67.37) v1(87.12,67.7) v7(86.79,68.02) ; v7(73.9,51.6) 73.69,51.81 73.69,51.96 ; 89.47,57.34 89.84,56.97 v7(89.99,56.97) ; 89.47,57.34 v7(89.19,57.62) ; 89.47,57.34 89.57,57.34 ; 70.97,49.6 71.55,49.6 71.63,49.52 ; v2(77.8,45.2) v7(77.42,45.59) 76.25,45.59 v1(76.23,45.56) ; 96,69.08 96.17,69.24 96.66,69.24 96.91,69.48 ; v1(90.86,68.44) 91.97,68.44 ; 91.97,68.44 91.33,69.09 90.93,69.09 ; 91.97,68.44 v7(92.39,68.02) ; v2(70.65,49.2) 70.57,49.2 70.19,48.81 ; v2(70.65,49.2) 70.42,49.49 ; v2(70.65,49.2) v1(70.92,49.55) ; v1(76.23,45.56) 76.17,45.61 ; v1(76.23,45.56) 76.5,45.28 v7(76.5,45.2) v7(76.9,44.8) v2(77.22,44.8) 77.55,44.8 v1(77.6,44.85) ; 76.17,45.61 75.56,45.61 75.31,45.36 75.06,45.61 73.63,45.61 v3(73.56,45.54) ; 76.17,45.61 75.85,45.93 v7(75.85,46) v2(75.32,46) v6(75.06,45.74) 74.83,45.74 v1(74.32,46.25) ; 97.54,60.33 96.34,60.33 ; 96.34,60.33 96.14,60.33 v2(95.59,60.87) ; 96.34,60.33 v2(95.59,59.57) ; v7(90.73,59.57) v7(89.99,59.57) ; v7(89.99,59.57) 89.59,59.17 89.59,58.59 ; v7(89.99,59.57) v7(90.43,60.01) ; v7(89.99,59.57) 90.91,58.65 v2(90.91,58.61) ; 68.07,47.77 68.05,47.75 v2(68.05,46.8) ; v7(71.95,49.2) v7(72.39,48.76) v7(72.39,48.13) ; v7(71.95,49.2) v7(71.95,48.46) ; v7(71.95,49.2) 71.03,48.28 v2(70.99,48.28) ; v7(88.39,60.87) 88.01,60.49 v1(88.01,59.91) 88.06,59.91 v7(88.39,59.57) 88.78,59.19 88.78,57.32 v1(88.75,57.29) 88.76,57.29 88.81,57.29 v7(89.19,57.62) ; 89.57,57.34 89.57,57.9 89.7,58.04 ; 89.57,57.34 89.61,57.3 89.61,56.48 v2(89.59,56.45) 89.61,56.43 89.61,56.05 v1(89.62,56.04) 89.62,56.04 v7(89.99,55.67) ; 95.21,59.5 95.21,58.76 ; 95.21,59.5 95.29,59.57 v2(95.59,59.57) ; 95.21,59.5 95.21,59.76 ; v7(95.21,68.39) 95.22,68.39 v2(95.59,68.02) ; v7(95.21,68.39) 95.21,67.76 95.13,67.68 95.19,67.62 v2(95.19,67.31) 95.19,66.98 ; v7(95.21,68.39) v7(95.21,69.03) 95.21,69.67 v2(95.33,69.8) v2(94.9,70.23) v7(94.35,69.68) v2(93.99,69.32) ; v2(69.35,52.4) v7(69.65,52.03) v2(70,51.6) v1(70.35,51.94) v7(70.65,52.4) 71.08,51.98 v7(71.7,51.98) ; v2(69.35,52.4) v1(69.18,52.71) ; v2(69.35,52.4) v7(68.93,51.97) ; v7(71.7,51.98) 72.2,51.98 v1(72.29,52.07) v7(71.95,52.4) 71.7,52.14 v7(71.7,51.98) ; v2(60.2,51.94) 60.2,51.23 ; v1(97.54,61.09) 97.32,60.87 v2(95.59,60.87) ; 93.58,67.88 v7(93.58,66.99) ; v7(87.99,66.98) v7(87.99,66.49) 87.99,65.87 v2(88.14,65.73) 88.39,65.47 v7(88.39,65.42) ; 97.79,56.64 96.47,56.64 v1(96.14,56.97) 96.57,57.4 97.54,57.4 ; v1(92.07,59.25) v7(92.39,59.57) v2(92.64,59.33) 92.79,59.17 v7(92.79,58.68) v7(92.39,58.27) ; v1(83.69,45.74) 83.57,45.74 83.36,45.54 v1(81.99,45.54) 82.35,45.18 82.98,45.18 v1(83.08,45.09) ; 92.69,67.02 92.64,67.02 92.39,66.77 v2(92.39,66.72) ; 92.69,67.02 v2(93.19,67.37) ; 92.69,67.02 92.79,66.92 v2(92.79,66.61) 92.79,66.32 ; v7(92.39,58.27) 92.54,58.27 v2(93.19,57.62) ; v7(92.39,58.27) 92.1,57.98 v1(91.07,57.98) 90.89,57.81 v2(90.38,57.81) ; v2(96.27,62.48) 96.03,62.25 96.03,61.32 ; 92.96,56.64 92.73,56.64 v7(92.39,56.97) ; v1(96.03,58.27) 96.65,57.66 97.28,57.66 ; v1(96.03,58.27) 98.28,58.27 ; v1(96.03,58.27) 96.81,59.05 ; 92.15,66.48 91.6,65.93 v2(91.32,65.93) ; 92.15,66.48 v2(92.39,66.72) ; 92.15,66.48 91.46,66.48 v1(91.32,66.61) ; v2(93.19,67.37) 93.48,67.66 ; v2(93.19,67.37) v7(93.58,66.99) ; v2(93.19,67.37) v7(92.39,68.02) ; v7(92.39,56.97) 92.55,56.97 v1(92.79,57.22) 93.19,57.62 v2(93.19,57.62) ; v7(92.39,56.97) 92.08,56.66 v2(91.44,56.66) ; 72.52,42.55 72.52,42.86 v2(73.25,43.6) 73.78,43.08 ; v7(68.05,50.8) 67.56,50.31 v1(67.56,50.16) ; v2(95.59,60.87) 96.03,61.32 ; v2(95.59,60.87) 95.59,60.87 v1(95.23,61.23) 94.94,61.52 v2(94.79,61.52) ; 96.03,61.32 96.31,61.59 97.54,61.59 ; 74.15,46.25 v1(74.32,46.25) ; v1(74.32,46.25) 74.21,46.36 v7(73.57,46.36) ; v7(88.39,55.67) 88.88,55.18 v1(89.03,55.18) ; v2(73.61,47.16) 73.41,47.36 v1(73.41,47.77) ; v3(94.42,66.46) 94.41,66.47 94.41,67.64 v1(94.37,67.68) 94.37,67.69 v7(94.37,68.34) 94.34,68.37 ; v7(79.75,51.6) v7(79.35,51.2) ; v7(79.75,51.6) v7(79.5,51.91) U3801.E1 v7(78.8,52.7) ; v7(79.75,51.6) v1(80.08,52.07) v7(80.4,52.4) ; v7(79.75,51.6) v7(80.15,51.2) v7(79.35,51.2) ; v7(79.35,51.2) v7(78.87,51.2) 78.25,51.2 v2(78.1,51.05) 77.85,50.8 v7(77.8,50.8) ; v7(73.25,50.8) 72.87,51.19 v1(72.34,51.19) 72.34,51.18 72.34,51.17 v7(71.95,50.8) 71.57,50.41 69.7,50.41 v1(69.67,50.44) 69.67,50.44 69.67,50.39 v7(70,50) ; 73.78,43.08 74.17,42.69 74.17,42.67 ; 73.78,43.08 v1(74.17,43.08) v1(75.69,43.08) ; v2(89.99,58.27) 89.99,58.19 v2(90.38,57.81) ; v2(89.99,58.27) v1(89.64,58.54) ; v2(89.99,58.27) 89.7,58.04 ; v7(82.04,46.38) v7(80.83,46.38) v7(80.4,46.8) ; v7(89.19,57.62) 89.7,58.04 ; v1(88.65,69.6) 88.65,69.58 v7(88.39,69.32) ; v1(79.4,46.5) 79.4,46.55 79.15,46.8 v2(79.1,46.8) ; v1(79.4,46.5) v2(79.75,46) ; v1(79.4,46.5) 79.3,46.4 v2(78.99,46.4) 78.7,46.4 ; 69.72,49.62 69.72,49.72 v7(70,50) ; 69.72,49.62 70.28,49.62 70.42,49.49 ; 69.72,49.62 69.68,49.58 v7(68.96,49.58) 68.43,49.58 v7(68.05,49.2) ; v1(67.73,47.12) v2(68.05,46.8) ; v2(68.05,46.8) 68.58,47.33 v7(68.58,47.9) ; v2(68.05,46.8) v7(67.63,46.37) 66.89,47.12 66.55,47.12 ; v1(97.54,59.82) 96.54,59.82 96.3,59.57 ; v7(86.79,58.27) v1(87.25,57.97) v7(87.59,57.62) v7(87.16,57.27) v7(86.79,56.97) v7(87.22,56.55) ; v7(86.79,58.27) 87.21,58.7 v7(87.21,59.32) ; v7(86.79,58.27) v7(86.49,57.97) ; 95.21,58.76 v2(95.12,58.67) 95.21,58.58 ; 95.21,58.76 95.21,58.58 ; 70.19,48.81 69.6,48.23 ; 70.19,48.81 70.19,48.3 v1(70.36,48.13) 70.36,47.1 v7(70.65,46.8) ; v1(94.33,61.21) 94.64,61.52 v2(94.79,61.52) ; v2(79.1,46.8) 78.74,47.16 78.74,47.87 ; v2(79.1,46.8) 78.7,46.4 ; v7(79.37,45.61) 80.26,45.61 ; v7(79.37,45.61) v2(79.75,46) ; v7(79.37,45.61) v7(78.86,45.61) ; v2(71.95,45.2) 71.95,45.06 v1(72.29,44.72) ; U3800.K9 92.94,63.47 92.58,63.12 92.58,62.74 ; 80.04,45.71 80.01,45.74 v2(79.75,46) ; v2(92.39,66.72) 92.79,66.32 ; 92.79,66.32 v1(92.79,65.8) ; 83.69,50.42 83.12,50.42 83.02,50.52 v1(81.98,50.52) ; v2(92.39,55.67) v7(92.82,55.25) 92.82,55.03 93.33,54.52 ; v2(92.39,55.67) v1(92.07,55.35) ; v2(92.39,55.67) v2(92.13,55.94) ; 81.96,51.05 82.72,51.82 83.31,51.82 ; 81.96,51.05 v7(81.7,50.8) ; 81.96,51.05 83.82,51.05 ; v7(81.7,50.8) 81.59,50.8 81.21,50.42 ; v7(81.7,50.8) 81.98,50.52 v1(81.98,50.52) ; 70.42,49.49 v7(70,50) ; v2(94.72,62.7) 94.79,62.77 ; 94.79,62.77 v2(94.79,63.48) ; 94.79,62.77 v2(94.79,61.52) ; v7(87.21,59.32) 87.21,59.82 v1(87.13,59.91) v7(86.79,59.57) 87.05,59.32 v7(87.21,59.32) ; v1(93.66,61.18) 93.58,61.26 ; v1(73.56,44.76) 73.56,44.89 U3801.P10 ; v2(87.59,63.48) 87.45,63.48 87.2,63.72 v1(87.15,63.72) 87.15,63.76 v7(86.79,64.12) ; v1(93.63,63.85) 93.61,63.87 v7(93.61,65.04) 93.63,65.04 93.99,65.4 v2(93.99,65.42) ; v1(93.63,63.85) 93.91,64.12 v7(93.99,64.12) v7(94.39,64.53) v2(94.39,64.84) 94.39,65.17 v1(94.34,65.22) ; v7(70.65,46.8) 70.65,46.65 U3801.W9 ; v7(70.65,46.8) 71.05,46.4 71.55,46.4 v2(71.71,46.55) v7(71.95,46.8) v1(71.63,47.12) ; v7(89.19,67.37) 88.8,66.99 v1(88.78,66.99) 88.78,66.46 ; v7(89.19,67.37) 89.64,67.78 U3800.C5 ; v7(89.19,67.37) 88.91,67.66 ; v1(77.47,44.01) 77.48,44 v2(78.1,44) v1(78.68,44) v7(80,44) 80.06,44.06 80.14,43.98 v7(80.77,43.98) v7(81.41,43.98) v2(82.05,43.98) 82.23,44.16 ; v2(82.49,44.42) v7(82.06,44.85) v2(81.7,45.2) ; v2(82.49,44.42) 83.57,44.42 v1(83.66,44.33) 83.66,44.27 83.76,44.16 82.23,44.16 ; v2(82.49,44.42) 82.23,44.16 ; v2(79.75,46) v7(80.4,46.8) ; v1(73.59,43.94) 73.9,44.25 U3801.N11 v2(75.85,44.4) ; 69.7,45.69 U3801.W9 ; 69.7,45.69 v7(69.76,45.62) 70.74,45.62 ; 69.7,45.69 69.62,45.61 ; U3801.W9 v2(70,46) v1(69.6,46.4) 69.35,46.64 v7(69.35,46.8) 69.09,47.07 69.09,47.75 69.07,47.77 69.07,47.85 69.04,47.85 v2(69.02,47.83) ; 93.5,57.32 93.58,57.24 ; 93.5,57.32 v7(93.57,57.39) ; 93.5,57.32 v2(93.19,57.62) ; 81.21,50.42 81.88,50.42 v1(81.98,50.52) ; 81.21,50.42 80.17,50.42 80.09,50.33 ; v7(92.81,69.66) v7(92.81,68.45) v7(92.39,68.02) ; v7(93.57,57.39) 93.57,56.1 v2(93.99,55.67) v1(94.48,55.19) 94.48,54.67 95.21,55.41 95.21,58.58 ; v7(93.57,57.39) 93.57,58.36 ; v1(96.12,61.72) 96.63,61.21 97.03,61.21 ; v1(75.69,41.66) 76.58,42.55 v1(76.58,43.08) 76.58,43.52 ; 71.88,43.98 72.14,43.98 ; 71.88,43.98 71.95,43.91 v2(71.95,43.6) v2(72.77,42.78) 72.77,42.55 ; 71.88,43.98 v2(68.45,43.98) v1(67.69,43.98) 67.69,44.13 67.11,44.72 v1(67.57,44.72) ; v1(94.41,56.64) v1(94.41,57.26) 94.42,57.27 v2(94.42,57.66) v1(94.42,57.98) ; v2(75.85,51.6) 75.85,51.74 76.1,51.99 v1(76.1,52.04) 76.14,52.04 v7(76.5,52.4) ; 96.3,59.57 v2(95.59,59.57) ; 96.3,59.57 96.81,59.05 ; v2(77.8,43.6) 77.09,42.88 77.09,42.42 ; 97.41,65.15 96.62,65.15 v1(95.93,64.46) 96.13,64.26 ; v2(90.38,57.81) 90.97,57.22 ; v1(75.01,78.54) 74.29,79.25 74.29,89.64 ; v7(93.58,66.99) v7(93.58,66.48) ; 97.16,63.63 96.09,63.63 v2(95.59,64.12) 95.28,63.81 v1(95.13,63.81) ; 96.81,59.05 97.54,59.05 ; v1(74.04,41.66) 74.56,41.66 v2(76.5,43.6) 76.58,43.52 ; v7(80.4,46.8) 80.82,47.22 v1(80.82,48.33) ; v7(78.69,80.14) v7(78.69,78.99) v7(78.69,77.98) v2(78.69,76.76) ; 78.7,46.4 v1(78.18,46.4) ; v1(96.14,56.39) 96.5,56.39 96.76,56.13 97.66,56.13 ; v2(87.05,61.13) v7(86.79,60.87) ; 69.02,44.78 69.64,44.78 v1(69.65,44.77) v1(70.36,44.77) ; v2(73.51,52.14) v7(73.25,52.4) ; 96.13,64.26 97.03,64.26 ; 96.13,64.26 96.14,64.26 v1(96.14,63.25) ; v7(87.59,61.52) 87.38,61.31 87.23,61.31 ; v7(80.4,49.2) v10(80.16,49.55) v7(79.75,50) ; 90.02,55.67 90.5,55.67 v1(90.68,55.5) 90.36,55.18 v1(90.25,55.18) 90.25,53.89 90.68,53.47 ; 95.19,66.98 v2(95.19,65.73) 95.19,65.1 v1(95.18,65.09) ; 95.19,66.98 v7(94.79,67.37) ; 76.58,43.52 77.22,42.89 77.22,42.42 ; 80.04,50.28 v7(79.75,50) ; v7(79.75,50) 79.37,50.39 v1(79.37,50.41) 78.84,50.41 ; 97.03,65.53 96.38,65.53 v1(95.93,65.09) 96.37,64.64 ; 94.01,70.6 94.01,69.97 v1(93.66,69.61) 93.66,70.25 94.01,70.6